# Altium PCB Zotino.PCBDOC (part 3 of 8)
Units mil, origin at the board's own origin, x right, y up, seen from the top; angles counter-clockwise.
Board outline 6303.18 x 3940.98 mil, 4 copper layers (TopLayer, Internal Plane 2, Signal Layer 1, BottomLayer), stack 61.54 mil thick; 716 components, 353 nets, 2092 pads, 748 vias.
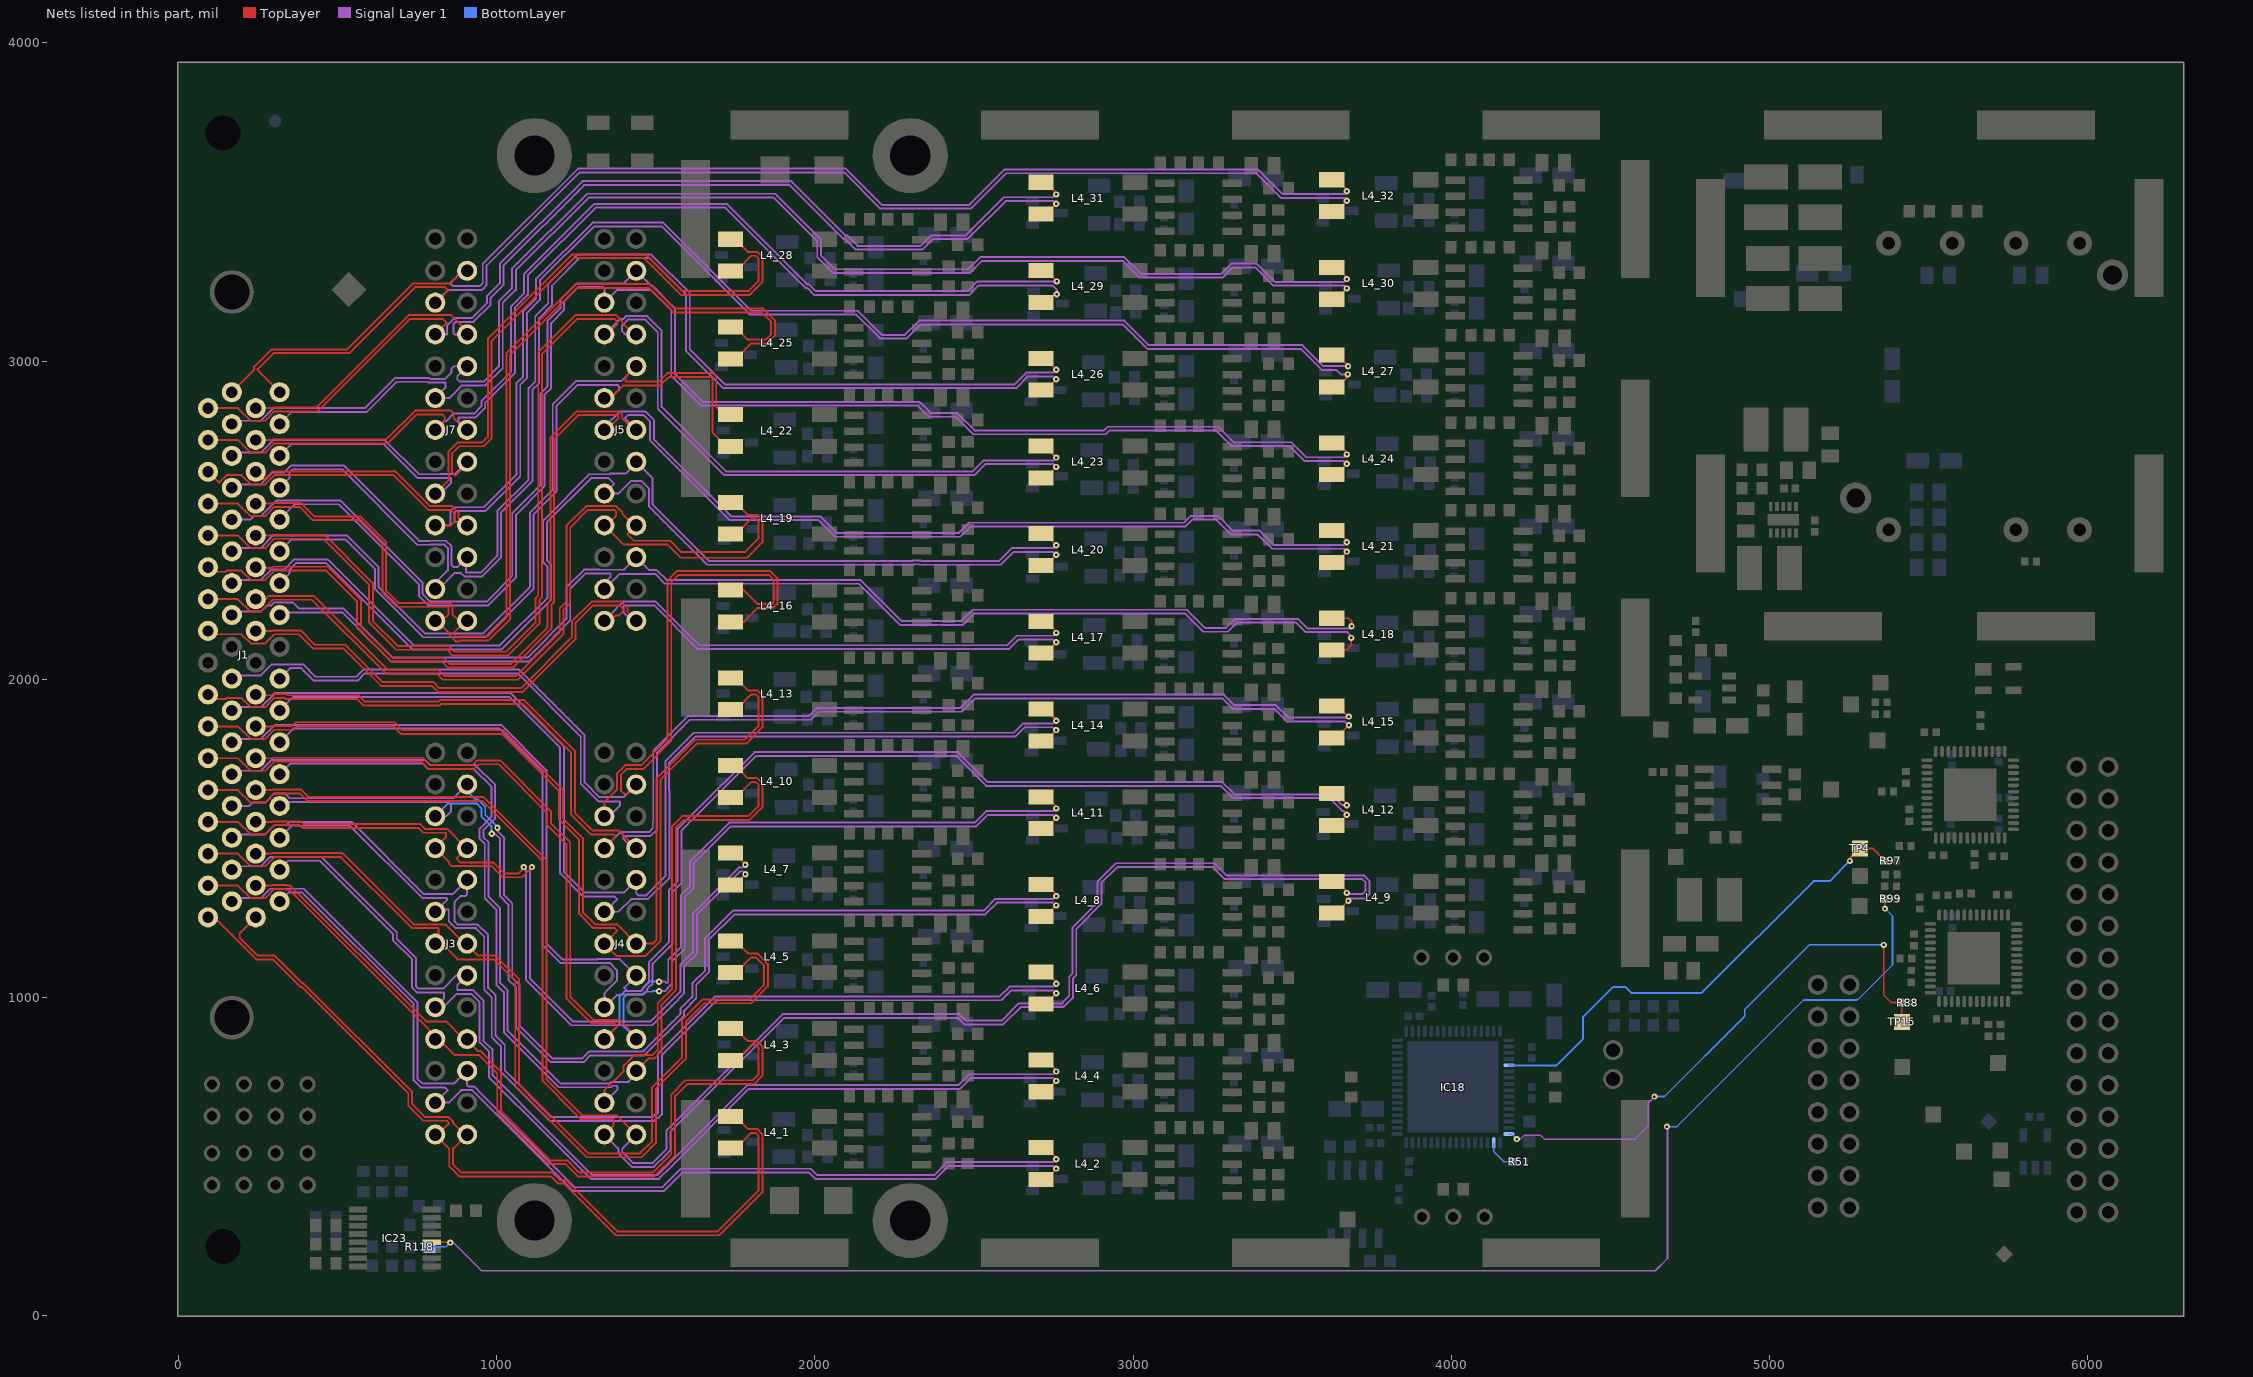
[diagram p5: the nets of this part, all layers, seen from the top]

## Part data (continued)
R67_1 R67_2 R67_3 R67_4 R67_5 R67_6 R67_7 R67_8 R67_9 R67_10 R67_11 R67_12 R67_13 R67_14 R67_15 R67_16 R67_17 R67_18 R67_19 R67_20 R67_21 R67_22 R67_23 R67_24 R67_25 R67_26 R67_27 R67_28 R67_29 R67_30 R67_31 R67_32: library part R0603_11K_1%_0.1W_100PPM, "Resistor - 1%", Case=0603, Manufacturer=GENERIC, Manufacturer1 ComponentHeight=0.55mm, Manufacturer1 Example="NIC COMPONENT", Manufacturer1 Part Number=NRC06F1102TRF, Power=0.1W, Tolerance=±1%, Author="CERN DEM JLC", Component Type=Standard, CreateDate=03.12.2007, HelpURL=\\cern.ch\dfs\Applications\Altium\Datasheets\R0603_NIC_NRC.pdf, LatestRevisionDate=13.03.2008, Manufacturer Part Number=R0603_11K_1%_0.1W_100PPM, Mounted=Yes, Part Description="General Purpose Thick Film Chip Resistor", Part Number=R0603_11K_1%_0.1W_100PPM, Pin Count=2, Sense=No, SMD=Yes, Socket=No, Status=Preferred, TC=±100ppm/°C
R69 R150: library part R0603_24K_1%_0.1W_100PPM, "Resistor - 1%", Case=0603, Manufacturer=GENERIC, Manufacturer1 ComponentHeight=0.55mm, Manufacturer1 Example="NIC COMPONENT", Manufacturer1 Part Number=NRC06F2402TRF, Power=0.1W, Tolerance=±1%, Author="CERN DEM JLC", Component Type=Standard, CreateDate=03.12.2007, HelpURL=\\cern.ch\dfs\Applications\Altium\Datasheets\R0603_NIC_NRC.pdf, LatestRevisionDate=13.03.2008, Manufacturer Part Number=R0603_24K_1%_0.1W_100PPM, Mounted=Yes, Part Description="General Purpose Thick Film Chip Resistor", Part Number=R0603_24K_1%_0.1W_100PPM, Pin Count=2, Sense=No, SMD=Yes, Socket=No, Status=Preferred, TC=±100ppm/°C
R70 R153: library part R0603_2K7_1%_0.1W_100PPM, "Resistor - 1%", Case=0603, Manufacturer=GENERIC, Manufacturer1 ComponentHeight=0.55mm, Manufacturer1 Example="YAGEO PHYCOMP", Manufacturer1 Part Number=RC0603FR-072K7L, Power=0.1W, Tolerance=±1%, Author="CERN DEM JLC", Component Type=Standard, CreateDate=02.05.2011, HelpURL=\\cern.ch\dfs\Applications\Altium\Datasheets\R0603_PHYCOMP_RC0603.pdf, LatestRevisionDate=02.05.2011, Manufacturer Part Number=R0603_2K7_1%_0.1W_100PPM, Mounted=Yes, Part Description="General Purpose Thick Film Chip Resistor", Part Number=R0603_2K7_1%_0.1W_100PPM, Pin Count=2, Sense=No, SMD=Yes, Socket=No, Status=Preferred, TC=±100ppm/°C
R162: library part R0603_270K_1%_0.1W_100PPM, "Resistor - 1%", Case=0603, Manufacturer=GENERIC, Manufacturer1 ComponentHeight=0.55mm, Manufacturer1 Example="NIC COMPONENT", Manufacturer1 Part Number=NRC06F2703TRF, Power=0.1W, Tolerance=±1%, Author="CERN DEM JLC", Component Type=Standard, CreateDate=03.12.2007, HelpURL=\\cern.ch\dfs\Applications\Altium\Datasheets\R0603_NIC_NRC.pdf, LatestRevisionDate=13.03.2008, Manufacturer Part Number=R0603_270K_1%_0.1W_100PPM, Mounted=Yes, Part Description="General Purpose Thick Film Chip Resistor", Part Number=R0603_270K_1%_0.1W_100PPM, Pin Count=2, Sense=No, SMD=Yes, Socket=No, Status=Preferred, TC=±100ppm/°C
R164: library part R0603_82K_1%_0.1W_100PPM, "Resistor - 1%", Case=0603, Manufacturer=GENERIC, Manufacturer1 ComponentHeight=0.55mm, Manufacturer1 Example="NIC COMPONENT", Manufacturer1 Part Number=NRC06F8202TRF, Power=0.1W, Tolerance=±1%, Author="CERN DEM JLC", Component Type=Standard, CreateDate=03.12.2007, HelpURL=\\cern.ch\dfs\Applications\Altium\Datasheets\R0603_NIC_NRC.pdf, LatestRevisionDate=13.03.2008, Manufacturer Part Number=R0603_82K_1%_0.1W_100PPM, Mounted=Yes, Part Description="General Purpose Thick Film Chip Resistor", Part Number=R0603_82K_1%_0.1W_100PPM, Pin Count=2, Sense=No, SMD=Yes, Socket=No, Status=Preferred, TC=±100ppm/°C
R171: library part R0402_10K_1%_0.0625W_100PPM, "Resistor - 1%", Case=0402, Manufacturer=GENERIC, Manufacturer1 ComponentHeight=0.4mm, Manufacturer1 Example="YAGEO PHYCOMP", Manufacturer1 Part Number=232270671003L, Power=0.0625W, Tolerance=±1%, Author="CERN DEM JLC", Component Type=Standard, CreateDate=03.12.2007, HelpURL=\\cern.ch\dfs\Applications\Altium\Datasheets\R0402_Phycomp_RC0402.pdf, LatestRevisionDate=17.10.2012, Manufacturer Part Number=R0402_10K_1%_0.0625W_100PPM, Mounted=Yes, Part Description="General Purpose Thick Film Chip Resistor", Part Number=R0402_10K_1%_0.0625W_100PPM, Pin Count=2, Sense=No, SMD=Yes, Socket=No, Status="Not recommended", TC=±100ppm/°C
RT1: library part THERM_NTC_10K_EPCOS_B57330V2103J260, "Thermistor NTC (Negative Temperature Coefficient)", Case=0603, Manufacturer=EPCOS, Manufacturer Part Number=B57330V2103J260, Power=180mW, Tolerance=±5%, Author="CERN DEM BC", ComponentHeight=0.9mm, Component Type=Standard, CreateDate=30.07.2015, HelpURL=\\cern.ch\dfs\Applications\Altium\Datasheets\THERM_EPCOS_B573xxV2.pdf, LatestRevisionDate=30.07.2015, Mounted=Yes, Part Description="SMD NTC Thermistor for Temperature Measurement", Part Number=THERM_NTC_10K_EPCOS_B57330V2103J260, Pin Count=2, Sense=No, SMD=Yes, Socket=No, Status=None
TEC1: library part TEC_CP20147H, "Peltier Module 15x15 mm"
TP1 TP2 TP3 TP4 TP5 TP6 TP7 TP8 TP9 TP10 TP11 TP12 TP13 TP14 TP15 TP16 TP17: library part SMD_PAD_1.27X1.27MM, Author="CERN DEM JLC", ComponentHeight=0mm, Component Type="Standard (No BOM)", CreateDate=12.01.2008, Family="Test Point", HelpURL=Undefined, LatestRevisionDate=12.01.2008, Mounted=No, PackageDescription="1.27mm x 1.27mm PCB Copper Area (SMD Test Point)", Part Description="1.27mm x 1.27mm PCB Copper Area (SMD Test Point)", Part Number=SMD_PAD_1.27X1.27MM, Pin Count=1, Sense=No, SMD=Yes, Socket=No, Status=None

## Free pads (board coordinates)
  round 236.22 hole 125.98: 0(2299.21,299.21) 1(2299.21,3645.67) 2(1118.11,3645.67) 3(1118.11,299.21)
  round 50 hole 110: 1(140,3717) 2(140,217)

## Via types
v1: diameter 19.68, hole 7.87, TopLayer to BottomLayer, tented both sides, 647 vias
v2: diameter 23.62, hole 11.81, TopLayer to BottomLayer, tented both sides, 70 vias
v3: diameter 39.37, hole 23.62, TopLayer to BottomLayer, tented both sides, 23 vias
v4: diameter 39.37, hole 19.68, TopLayer to BottomLayer, tented both sides, 8 vias

## Nets (pads, with @x,y where several pads share a name; then routed paths per layer and width w, separated by ;. In a path a pad name is that pad's centre, name@x,y a point inside that pad or via, vN(x,y) a via of type N, cw(c..) or ccw(c..) an arc to the next point about the centre after c; other vN are vias at no path point)
BUSY: IC18.2 R51.1 | length 101.1
  BottomLayer w5: IC18.2@4133.17,543.31 4133.17,516.44 4165.35,484.25 R51.1@4194.09,484.25
CLRn: IC18.64 R88.1 TP15.1 | length 1786.7
  TopLayer w5: v1(5358.27,1165.35) 5358.27,1007.87 5381.89,984.25 R88.1@5414.57,984.25 5415.35,983.46 TP15.1@5415.35,923.23
  Signal Layer 1 w5: v1(4204.72,555.12) 4216.53,555.12 4228.03,566.61 4280.75,566.61 4292.24,555.12 4576.71,555.12 4618.11,596.52 4618.11,669.29 v1(4637.8,688.98)
  BottomLayer w5: IC18.64@4180.41,570.87 4188.97,570.87 v1(4204.72,555.12) ; v1(4637.8,688.98) 4669.29,688.98 4921.26,940.94 4921.26,962.24 5124.38,1165.35 v1(5358.27,1165.35)
CSn: IC18.53 R97.1 TP4.1 | length 1541.7
  TopLayer w6: v1(5251.97,1429.13) 5251.97,1437.01 TP4.1@5283.46,1468.5 5322.99,1468.5 R97.1@5361.5,1430
  BottomLayer w6: IC18.53@4180.41,787.4 4181.76,786.06 4329.09,786.06 4413.88,870.85 4413.88,939.85 4507.63,1033.59 4546.76,1033.59 4566.57,1013.78 4785.43,1013.78 5137.8,1366.14 5188.98,1366.14 v1(5251.97,1429.13)
CSN_EXT: IC23.12 R99.1 R118.2 | length 5557.6
  TopLayer w5: IC23.12@795.77,231.54 852.19,231.54 v1(853.84,229.89) ; R99.1@5361.5,1310 5361.5,1280.24 v1(5362.2,1279.53)
  Signal Layer 1 w5: v1(853.84,229.89) 863.84,229.89 952.23,141.5 4640.45,141.5 4678.84,179.89 v1@4678.84,594.49
  BottomLayer w5: R118.2@789.37,216.54 840.49,216.54 v1(853.84,229.89) ; v1(4677.17,594.49) 4708.66,594.49 5106.3,992.13 5275.59,992.13 5385.83,1102.36 5385.83,1255.91 v1(5362.2,1279.53)
DAC_OUT_N1: J1.35 J3.2 L4_1.3 | length 2682.4
  TopLayer w6: J1.35@92.72,1252.02 111.71,1252.02 243.84,1119.89 296.87,1119.89 383.13,1033.62 386.84,1033.62 721.84,698.63 721.84,659.92 768.87,612.89 842.79,612.89 850.79,604.89 815.43,569.53 J3.2@806.79,569.53 850.79,525.53 850.79,469.92 882.82,437.89 1169.58,437.89 1192.47,415 1211.73,415 1373.84,252.89 1698.81,252.89 1834.83,388.91 1834.83,570.87 1818.35,587.35 1788.65,587.35 L4_1.3@1752.19,623.81 ; L4_1.3@1734.08,626.81 1734.08,630.92 1745.08,630.92 L4_1.3@1752.19,623.81 ; L4_1.3@1737.08,623.81 L4_1.3@1752.19,623.81
DAC_OUT_N2: J1.36 J3.5 L4_2.3 | length 3313.7
  TopLayer w6: L4_2.3@2710.46,528.38 2726.62,528.38 2757.93,497.07 v1(2757.93,491.98)
  Signal Layer 1 w6: J1.36@167.72,1302.02 178.22,1312.52 259.08,1312.52 288.45,1341.89 393.81,1341.89 750.84,984.86 750.84,744.89 765.84,729.89 867.14,729.89 J3.5@906.79,769.53 906.79,725.39 911.15,721.03 928.12,721.03 932.26,716.89 933.81,716.89 940.84,709.86 940.84,708.31 1245.26,403.89 1520.32,403.89 1558.83,442.4 1578.32,461.89 1986.9,461.89 2006.52,442.27 2374.25,442.27 2415.2,483.22 2749.16,483.22 v1(2757.93,491.98)
DAC_OUT_N3: J1.37 J3.8 L4_3.3 | length 2694.6
  TopLayer w6: J1.37@92.72,1352.02 186.86,1352.02 226.36,1312.52 272.37,1312.52 301.36,1341.51 334.08,1341.51 335.57,1340.02 346.74,1340.02 866.76,820 943.03,820 1001.51,761.51 1001.51,638.49 1160,480 1163.51,476.49 1216.54,476.49 1255.03,438 1494.97,438 1560.29,503.32 1560.29,690.29 1598,728 1808.88,728 1831.32,750.44 1834.83,753.95 1834.83,846.46 1831.32,849.97 1818.35,862.94 1788.65,862.94 L4_3.3@1752.19,899.4 ; L4_3.3@1734.08,902.4 1734.08,906.51 1745.08,906.51 L4_3.3@1752.19,899.4 ; L4_3.3@1737.08,899.4 L4_3.3@1752.19,899.4
DAC_OUT_N4: J1.38 J3.11 L4_4.3 | length 3510.7
  TopLayer w6: L4_4.3@2710.45,803.97 2726.03,803.97 2757.93,772.07 v1(2757.93,767.57)
  Signal Layer 1 w6: J1.38@167.72,1402.02 178.22,1412.52 259.08,1412.52 288.45,1441.89 448.81,1441.89 685.84,1204.86 685.84,1184.89 745.84,1124.89 745.84,1035.66 753.26,1028.23 831.38,1028.23 872.68,1069.53 J3.11@906.79,1069.53 875.98,1038.73 875.98,1023.62 925.53,1023.62 958.28,990.87 958.28,864.22 987.1,835.41 987.1,755.41 990.61,751.89 1162.1,580.4 1300.61,441.89 1504.58,441.89 1543.09,480.4 1787.58,724.89 2450.8,724.89 2484.72,758.81 2749.16,758.81 v1(2757.93,767.57)
DAC_OUT_N5: J1.39 J3.14 L4_5.3 | length 3023.2
  TopLayer w6: J1.39@92.72,1452.02 186.86,1452.02 226.36,1412.52 272.37,1412.52 301.36,1441.51 510.25,1441.51 715.35,1236.4 733.72,1218.04 816.99,1218.04 816.99,1179.74 876.72,1120 990,1120 1058,1052 1058,723.32 1283.32,498 1454.97,498 1500,543.03 1500,712.6 1594.49,807.09 1594.49,924.49 1652.13,982.13 1799.42,982.13 1852,1034.71 1852,1104.88 1818.35,1138.53 1788.65,1138.53 L4_5.3@1752.19,1174.99 ; L4_5.3@1734.08,1177.99 1734.08,1182.1 1745.08,1182.1 L4_5.3@1752.19,1174.99 ; L4_5.3@1737.08,1174.99 L4_5.3@1752.19,1174.99
DAC_OUT_N6: J1.40 J3.17 L4_6.3 | length 3748.4
  TopLayer w6: L4_6.3@2710.46,1079.56 2728.44,1079.56 2757.93,1050.07 v1(2757.93,1043.16) v1@2753,1048.09
  Signal Layer 1 w6: J1.40@167.72,1502.02 178.22,1512.52 272.37,1512.52 301.36,1541.51 338.49,1541.51 348.87,1551.89 543.81,1551.89 770.81,1324.89 862.14,1324.89 J3.17@906.79,1369.53 906.79,1324.11 901.57,1318.9 885.83,1318.9 867.29,1300.36 867.29,1239.01 876.26,1230.04 939.35,1230.04 972.84,1196.55 972.84,1030.05 996.28,1006.61 996.28,879.96 1025.1,851.15 1025.1,771.15 1172.01,624.23 1488.73,624.23 1497.39,632.89 1501.84,632.89 1506.84,637.89 1506.84,824.15 1686.06,1003.37 2580.35,1003.37 2611.38,1034.4 2749.16,1034.4 v1(2757.93,1043.16)
DAC_OUT_N7: J1.41 J3.20 L4_7.3 | length 2693.8
  TopLayer w6: J1.41@92.72,1552.02 186.86,1552.02 226.36,1512.52 272.37,1512.52 301.36,1541.51 380.25,1541.51 388.87,1532.89 753.87,1532.89 765.35,1521.4 768.87,1517.89 838.87,1517.89 840.35,1516.4 840.35,1503.1 J3.20@806.79,1469.53 850.79,1425.53 850.79,1419.92 857.82,1412.89 983.87,1412.89 1018.87,1377.89 1079.64,1377.89 1110.68,1408.93 v1(1110.68,1409.89) ; L4_7.3@1721.29,1453.58 L4_7.3@1734.08,1453.58 1746.42,1453.58 1781.55,1418.45 v1(1781.55,1417.18)
  Signal Layer 1 w6: v1(1110.68,1409.89) 1103.84,1403.05 1103.84,1060.27 1239.22,924.89 1483.84,924.89 1576.84,1017.89 1576.84,1102.75 1613.23,1139.14 1616.74,1142.65 1616.74,1265.13 1760.03,1408.42 1772.78,1408.42 v1(1781.55,1417.18)
DAC_OUT_N8: J1.42 J3.23 L4_8.3 | length 3717.3
  TopLayer w6: L4_8.3@2710.45,1355.15 2727.85,1355.15 2757.93,1325.07 v1(2757.93,1318.76) v1@2753,1323.68
  Signal Layer 1 w6: J1.42@167.72,1602.02 221.78,1602.02 232.28,1612.52 272.37,1612.52 278.22,1618.38 301.36,1641.51 334.08,1641.51 349.42,1626.17 863.43,1626.17 J3.23@906.79,1669.53 ; v1(1002.16,1533.21) 1002.16,1523.54 1018.84,1506.86 1022.35,1503.35 1022.35,1323.35 1048.84,1296.86 1048.84,1061.53 1072.28,1038.09 1072.28,911.44 1174.67,809.06 1268.22,809.06 1289.19,830.04 1458.99,830.04 1576.84,947.89 1576.84,964.15 1614.84,1002.15 1614.84,1044.81 1654.74,1084.71 1654.74,1185.99 1742.13,1273.37 2530.35,1273.37 2566.97,1309.99 2749.16,1309.99 v1(2757.93,1318.76)
  BottomLayer w6: J3.23@906.79,1669.53 906.79,1648.94 933.84,1621.89 941.81,1621.89 963.84,1599.86 963.84,1574.89 1002.16,1536.57 v1(1002.16,1533.21)
DAC_OUT_N9: J1.43 J4.2 L4_9.3 | length 5412.5
  TopLayer w6: J1.43@92.72,1652.02 186.86,1652.02 226.36,1612.52 272.37,1612.52 301.36,1641.51 380.25,1641.51 403.87,1617.89 953.84,1617.89 1143.84,1427.89 1143.84,737.92 1245.35,636.4 1263.72,618.04 1366.99,618.04 1366.99,598.24 J4.2@1338.29,569.53 ; L4_9.3@3623.84,1364.99 3641.01,1364.99 3671.31,1334.69 v1(3671.31,1328.6)
  Signal Layer 1 w6: J4.2@1338.29,569.53 1382.28,525.53 1382.28,509.92 1424.31,467.89 1493.81,467.89 1532.32,506.4 1545.84,519.92 1545.84,578.44 1903.46,936.06 2307.32,936.06 2307.64,935.75 2332.36,935.75 2332.68,936.06 2449.06,936.06 2469.76,915.35 2591.28,915.35 2645.81,969.89 2780.81,969.89 2807.32,996.4 2810.84,999.92 2810.84,1059.92 2817.32,1066.4 2820.84,1069.92 2820.84,1214.92 2900,1294.08 2900,1360 2950,1410 3250,1410 3288.05,1371.95 3720,1371.95 3730.31,1361.63 3730.31,1335.22 3719.93,1324.83 3675.08,1324.83 v1(3671.31,1328.6)
DAC_OUT_N10: J1.44 J4.5 L4_10.3 | length 3537.5
  TopLayer w6: J4.5@1438.29,769.53 1476.75,808 1494.97,808 1514.29,827.32 1517.8,830.83 1517.8,977.8 1562.84,1022.84 1562.84,1532.84 1588,1558 1794.97,1558 1831.32,1594.35 1834.83,1597.86 1834.83,1673.23 1831.32,1676.74 1818.35,1689.71 1788.65,1689.71 L4_10.3@1752.19,1726.17 ; L4_10.3@1734.08,1729.17 1734.08,1733.29 1745.08,1733.29 L4_10.3@1752.19,1726.17 ; L4_10.3@1737.08,1726.17 L4_10.3@1752.19,1726.17
  Signal Layer 1 w6: J1.44@167.72,1702.02 178.22,1712.52 259.08,1712.52 293.45,1746.89 773.58,1746.89 790.43,1730.04 933.09,1730.04 994.91,1668.22 994.91,1562.73 958,1525.82 958,1504.28 974.32,1487.96 974.32,1317.63 977.84,1314.12 1010.84,1281.12 1010.84,1045.79 1034.28,1022.35 1034.28,895.7 1199.95,730.04 1354.64,730.04 1359.5,734.89 1413.84,734.89 1438.28,759.33 J4.5@1438.29,769.53
DAC_OUT_N11: J1.45 J4.8 L4_11.3 | length 4055.7
  TopLayer w6: J1.45@92.72,1752.02 186.86,1752.02 226.36,1712.52 272.37,1712.52 301.36,1741.51 761.98,1741.51 785.46,1718.04 928.12,1718.04 942.97,1732.89 1005.84,1732.89 1157.84,1580.89 1157.84,1543.41 1218.84,1482.41 1218.84,997.92 1293.87,922.89 1298.72,918.04 1370.89,918.04 1378.84,910.09 J4.8@1338.29,869.53 ; L4_11.3@2710.45,1630.74 2721.53,1630.74 2739.27,1613 2745,1613 2757.93,1600.07 v1(2757.93,1594.35)
  Signal Layer 1 w6: v1(1510,1050) 1528.73,1050 1533.84,1044.89 1538.84,1049.89 1538.84,1118.49 1575.23,1154.88 1578.74,1158.39 1578.74,1321.05 1603.32,1345.63 1606.84,1349.15 1606.84,1426.84 1729.89,1549.89 2501.87,1549.89 2537.56,1585.58 2749.16,1585.58 v1(2757.93,1594.35)
  BottomLayer w6: J4.8@1338.29,869.53 1385.83,917.07 1385.83,1003.16 1403.7,1021.03 1452.52,1021.03 1481.49,1050 v1(1510,1050)
DAC_OUT_N12: J1.46 J4.11 L4_12.3 | length 4946.2
  TopLayer w6: L4_12.3@3623.84,1640.58 3639.42,1640.58 3667.5,1612.5 3667.5,1608 v1(3671.31,1604.19)
  Signal Layer 1 w6: J1.46@167.72,1802.02 178.22,1812.52 259.08,1812.52 303.45,1856.89 1013.81,1856.89 1155.84,1714.86 1155.84,1169.89 1205.84,1119.89 1315.81,1119.89 1316.95,1121.03 1386.79,1121.03 J4.11@1438.29,1069.53 1400.13,1031.38 1410.47,1021.03 1454.98,1021.03 1460.16,1026.21 1460.16,1032.36 1477.64,1049.84 1477.98,1049.84 1477.98,1111.37 1540.74,1174.13 1540.74,1336.79 1568.84,1364.89 1568.84,1531.04 1607.64,1569.84 1608.79,1569.84 1809.95,1771 2448.73,1771 2542.84,1676.89 3280.08,1676.89 3318.57,1638.4 3622.3,1638.4 3625.81,1634.89 3646.1,1614.6 3656.51,1604.19 v1(3671.31,1604.19)
DAC_OUT_N13: J1.47 J4.14 L4_13.3 | length 3183
  TopLayer w6: J1.47@92.72,1852.02 186.86,1852.02 226.36,1812.52 272.37,1812.52 301.36,1841.51 362.43,1841.51 373.81,1852.89 674.16,1852.89 698.5,1828.55 1015.18,1828.55 1195.84,1647.89 1195.84,1559.15 1258.84,1496.15 1258.84,1262.92 1300.35,1221.4 1303.87,1217.89 1370.69,1217.89 1377.95,1210.63 1377.95,1209.2 J4.14@1338.29,1169.53 1377.78,1130.04 1467.01,1130.04 1514.29,1177.32 1514.29,1684.29 1628,1798 1784.07,1798 1834.83,1848.76 1834.83,1948.82 1818.35,1965.3 1788.65,1965.3 L4_13.3@1752.19,2001.76 ; L4_13.3@1734.08,2004.76 1734.08,2008.88 1745.08,2008.88 L4_13.3@1752.19,2001.76 ; L4_13.3@1737.08,2001.76 L4_13.3@1752.19,2001.76
DAC_OUT_N14: J1.48 J4.17 L4_14.3 | length 3722.4
  TopLayer w6: L4_14.3@2710.45,1906.33 L4_14.3@2721.53,1906.33 ; L4_14.3@2721.53,1906.33 2726.67,1906.33 2757.93,1875.07 v1(2757.93,1869.94) L4_14.3@2721.53,1906.33
  Signal Layer 1 w6: J1.48@167.72,1902.02 178.22,1912.52 259.08,1912.52 303.45,1956.89 1043.81,1956.89 1210.84,1789.86 1210.84,1394.89 1275.84,1329.89 1398.64,1329.89 J4.17@1438.29,1369.53 1438.29,1327.46 1444.72,1321.03 1469.98,1321.03 1530.84,1381.89 1530.84,1480 1529.84,1481 1529.84,1742.86 1618.87,1831.89 2624.59,1831.89 2653.87,1861.17 2749.16,1861.17 v1(2757.93,1869.94)
DAC_OUT_N15: J1.49 J4.20 L4_15.3 | length 4441.7
  TopLayer w6: J1.49@92.72,1952.02 106.84,1937.89 147.74,1937.89 151.36,1941.51 197.37,1941.51 226.36,1912.52 272.37,1912.52 301.36,1941.51 334.08,1941.51 337.7,1937.89 560.9,1937.89 580.9,1917.89 821.12,1917.89 825.81,1922.57 1081.15,1922.57 1233.84,1769.89 1233.84,1574.89 1295.84,1512.89 1368.11,1512.89 1374.66,1506.34 1374.66,1505.91 J4.20@1338.29,1469.53 ; L4_15.3@3623.84,1916.17 3643.83,1916.17 v1(3677,1883)
  Signal Layer 1 w6: J4.20@1338.29,1469.53 1388.64,1519.89 1478.84,1519.89 1490.16,1531.21 1490.16,1551.2 1491.84,1552.89 1491.84,1774.86 1601.87,1884.89 1981.87,1884.89 2006.87,1909.89 2456.87,1909.89 2498.87,1951.89 3285,1951.89 3317.84,1919.06 3447.91,1919.06 3486.97,1880 3674,1880 v1(3677,1883)
DAC_OUT_N16: J1.50 J4.23 L4_16.3 | length 2964.4
  TopLayer w6: J4.23@1438.29,1669.53 1408.75,1640 1400,1640 1390,1650 1390,1700 1408.04,1718.04 1459.62,1718.04 1548.29,1806.71 1548.29,2305.03 1571.26,2328 1855.03,2328 1870,2313.03 1870,2241.78 1864.57,2236.35 1820.45,2236.35 1776.45,2280.35 L4_16.3@1734.08,2280.35
  Signal Layer 1 w6: J1.50@167.72,2002.02 178.22,2012.52 259.08,2012.52 293.45,2046.89 391.34,2046.89 430.36,2007.87 558.37,2007.87 580.71,2030.21 1070.49,2030.21 1275.84,1824.86 1275.84,1676.12 1321.93,1630.04 1398.79,1630.04 J4.23@1438.29,1669.53
DAC_OUT_N17: J1.53 J5.2 L4_17.3 | length 3218
  TopLayer w6: J1.53@92.72,2152.02 103.22,2141.51 197.37,2141.51 226.36,2112.52 272.37,2112.52 301.36,2141.51 378.52,2141.51 423.57,2096.46 519.08,2096.46 633.13,1982.4 636.65,1978.89 796.65,1978.89 814.96,1960.57 1081.46,1960.57 1247.84,2126.96 1247.84,2176.92 1303.13,2232.21 1386.52,2232.21 1398.84,2219.89 1398.84,2214.89 1384.74,2200.79 1374.02,2200.79 1356.94,2183.71 J5.2@1338.29,2183.71 ; L4_17.3@2710.45,2181.92 2725.08,2181.92 2757.93,2149.07 v1(2757.93,2145.53)
  Signal Layer 1 w6: J5.2@1338.29,2183.71 1377.15,2222.58 1377.15,2224.21 1397.15,2244.21 1499.52,2244.21 1636.84,2106.89 2604,2106.89 2633.87,2136.76 2749.16,2136.76 v1(2757.93,2145.53)
DAC_OUT_N18: J1.54 J5.5 L4_18.3 | length 4025.4
  TopLayer w6: L4_18.3@3623.84,2191.77 3676.23,2191.77 3686,2182 v1(3686,2167)
  Signal Layer 1 w6: J1.54@167.72,2202.02 178.22,2212.52 259.08,2212.52 278.84,2232.28 292.13,2232.28 301.36,2241.51 359.19,2241.51 378.81,2221.89 518.81,2221.89 522.32,2218.37 672.49,2068.21 1097.16,2068.21 1218.84,2189.89 1218.84,2288.96 1274.56,2344.68 1321.46,2344.68 1321.93,2344.21 1398.79,2344.21 J5.5@1438.29,2383.71 1478.59,2343.4 1502.31,2343.4 1533.59,2312.12 2142.84,2312.12 2271.77,2183.19 2377.44,2183.19 2377.64,2183.39 2402.36,2183.39 2402.56,2183.19 2460.17,2183.19 2491.87,2214.89 2495.38,2218.4 3168,2218.4 3225.11,2161.29 3291.29,2161.29 3320,2190 3516.97,2190 3546.97,2160 3679,2160 v1(3686,2167)
DAC_OUT_N19: J1.55 J5.8 L4_19.3 | length 2661.2
  TopLayer w6: J1.55@92.72,2252.02 186.86,2252.02 226.36,2212.52 259.08,2212.52 296.45,2249.89 419.39,2249.89 648.87,2020.4 652.39,2016.89 812.39,2016.89 830.7,1998.57 1065.72,1998.57 1209.84,2142.7 1209.84,2218.41 1214.84,2223.41 1230.84,2239.41 1230.84,2476.89 1286.16,2532.21 1369.96,2532.21 1374.6,2527.58 1374.6,2512.2 1346.1,2483.71 J5.8@1338.29,2483.71 1398.79,2423.2 1536.8,2423.2 1578.08,2381.92 1786.76,2381.92 1834.83,2430 1834.83,2500 1818.35,2516.48 1788.65,2516.48 L4_19.3@1752.19,2552.94 ; L4_19.3@1734.08,2555.94 1734.08,2560.06 1745.08,2560.06 L4_19.3@1752.19,2552.94 ; L4_19.3@1737.08,2552.94 L4_19.3@1752.19,2552.94
DAC_OUT_N20: J1.56 J5.11 L4_20.3 | length 3399.5
  TopLayer w6: L4_20.3@2710.45,2457.51 2721.53,2457.51 v1(2757.93,2421.12)
  Signal Layer 1 w6: J1.56@167.72,2302.02 178.22,2312.52 259.08,2312.52 291.45,2344.89 331.87,2344.89 363.87,2376.89 468.81,2376.89 739.49,2106.21 1010.16,2106.21 1158.84,2254.89 1158.84,2354.89 1148.84,2364.89 1145.32,2368.4 1145.32,2498.35 1148.84,2501.86 1291.19,2644.21 1354.64,2644.21 1357.32,2646.89 1406.73,2646.89 1438.29,2678.44 J5.11@1438.29,2683.71 1489.78,2632.21 1489.78,2548.95 1666.84,2371.89 2306.14,2371.89 2307.64,2373.39 2332.36,2373.39 2333.86,2371.89 2578.4,2371.89 2618.87,2412.35 2749.16,2412.35 v1(2757.93,2421.12)
DAC_OUT_N21: J1.57 J5.14 L4_21.3 | length 4920.5
  TopLayer w6: J1.57@92.72,2352.02 106.84,2337.89 147.74,2337.89 151.36,2341.51 197.37,2341.51 226.36,2312.52 272.37,2312.52 301.36,2341.51 464.74,2341.51 560.84,2245.41 560.84,2162.18 664.61,2058.4 668.13,2054.89 828.13,2054.89 846.44,2036.57 1049.98,2036.57 1171.84,2158.44 1171.84,2234.15 1176.84,2239.15 1180.35,2242.66 1180.35,2754.43 1255.81,2829.89 1378.84,2829.89 1382.28,2826.44 1382.28,2819.89 1346.1,2783.71 J5.14@1338.29,2783.71 ; L4_21.3@3623.84,2467.36 3639.64,2467.36 3671.31,2435.69 v1(3671.31,2430.96)
  Signal Layer 1 w6: J5.14@1338.29,2783.71 1338.28,2792.86 1387.31,2841.89 1466.81,2841.89 1493.84,2814.86 1493.84,2754.89 1736.84,2511.89 2016.84,2511.89 2068.84,2459.89 2451.87,2459.89 2483.87,2491.89 3159.21,2491.89 3177.32,2510 3180.84,2513.51 3266.31,2513.51 3269.83,2510 3312.94,2466.89 3396.84,2466.89 3441.53,2422.2 3662.55,2422.2 v1(3671.31,2430.96)
DAC_OUT_N22: J1.58 J5.17 L4_22.3 | length 2609.7
  TopLayer w6: J5.17@1438.29,2983.71 1404.58,2950 1404.58,2935.42 1404.8,2935.2 1509.49,2935.2 1536.46,2962.17 1678.07,2962.17 1689.78,2950.46 1689.78,2855.08 1713.33,2831.53 L4_22.3@1734.08,2831.53
  Signal Layer 1 w6: J1.58@167.72,2402.02 178.22,2412.52 259.08,2412.52 298.45,2451.89 528.81,2451.89 628.84,2351.86 628.84,2289.89 774.52,2144.21 958.16,2144.21 1103.84,2289.89 1103.84,2523.67 1175.84,2595.67 1175.84,2863.86 1248.87,2936.89 1391.47,2936.89 J5.17@1438.29,2983.71
DAC_OUT_N23: J1.59 J5.20 L4_23.3 | length 4397.5
  TopLayer w6: J1.59@92.72,2452.02 186.86,2452.02 226.36,2412.52 272.37,2412.52 301.36,2441.51 454.9,2441.51 598.84,2297.58 598.84,2177.92 680.35,2096.4 683.87,2092.89 843.87,2092.89 862.18,2074.57 1034.24,2074.57 1133.84,2174.18 1133.84,2249.89 1138.84,2254.89 1142.35,2258.4 1142.35,3022.28 1252.29,3132.21 1369.96,3132.21 1377.95,3124.22 1377.95,3115.56 1346.1,3083.71 J5.20@1338.29,3083.71 ; L4_23.3@2710.45,2733.1 2721.53,2733.1 v1(2757.93,2696.71)
  Signal Layer 1 w6: J5.20@1338.29,3083.71 1386.47,3131.89 1397.13,3131.89 1407.17,3141.92 1471.51,3141.92 1517.91,3095.52 1517.91,2855.82 1720.35,2653.37 2495.43,2653.37 2530,2687.94 2749.16,2687.94 v1(2757.93,2696.71)
DAC_OUT_N24: J1.60 J5.23 L4_24.3 | length 4975
  TopLayer w6: L4_24.3@3623.84,2742.95 3641.05,2742.95 3671.31,2712.69 v1(3671.31,2706.55)